# Altium PCB button_PVT.PcbDoc
Units mil, origin at the board's own origin, x right, y up, seen from the top; angles counter-clockwise.
Board outline 1126.97 x 1126.97 mil, 2 copper layers (Top Layer, Bottom Layer), stack 31.496 mil thick; 85 components, 49 nets, 248 pads, 272 vias.
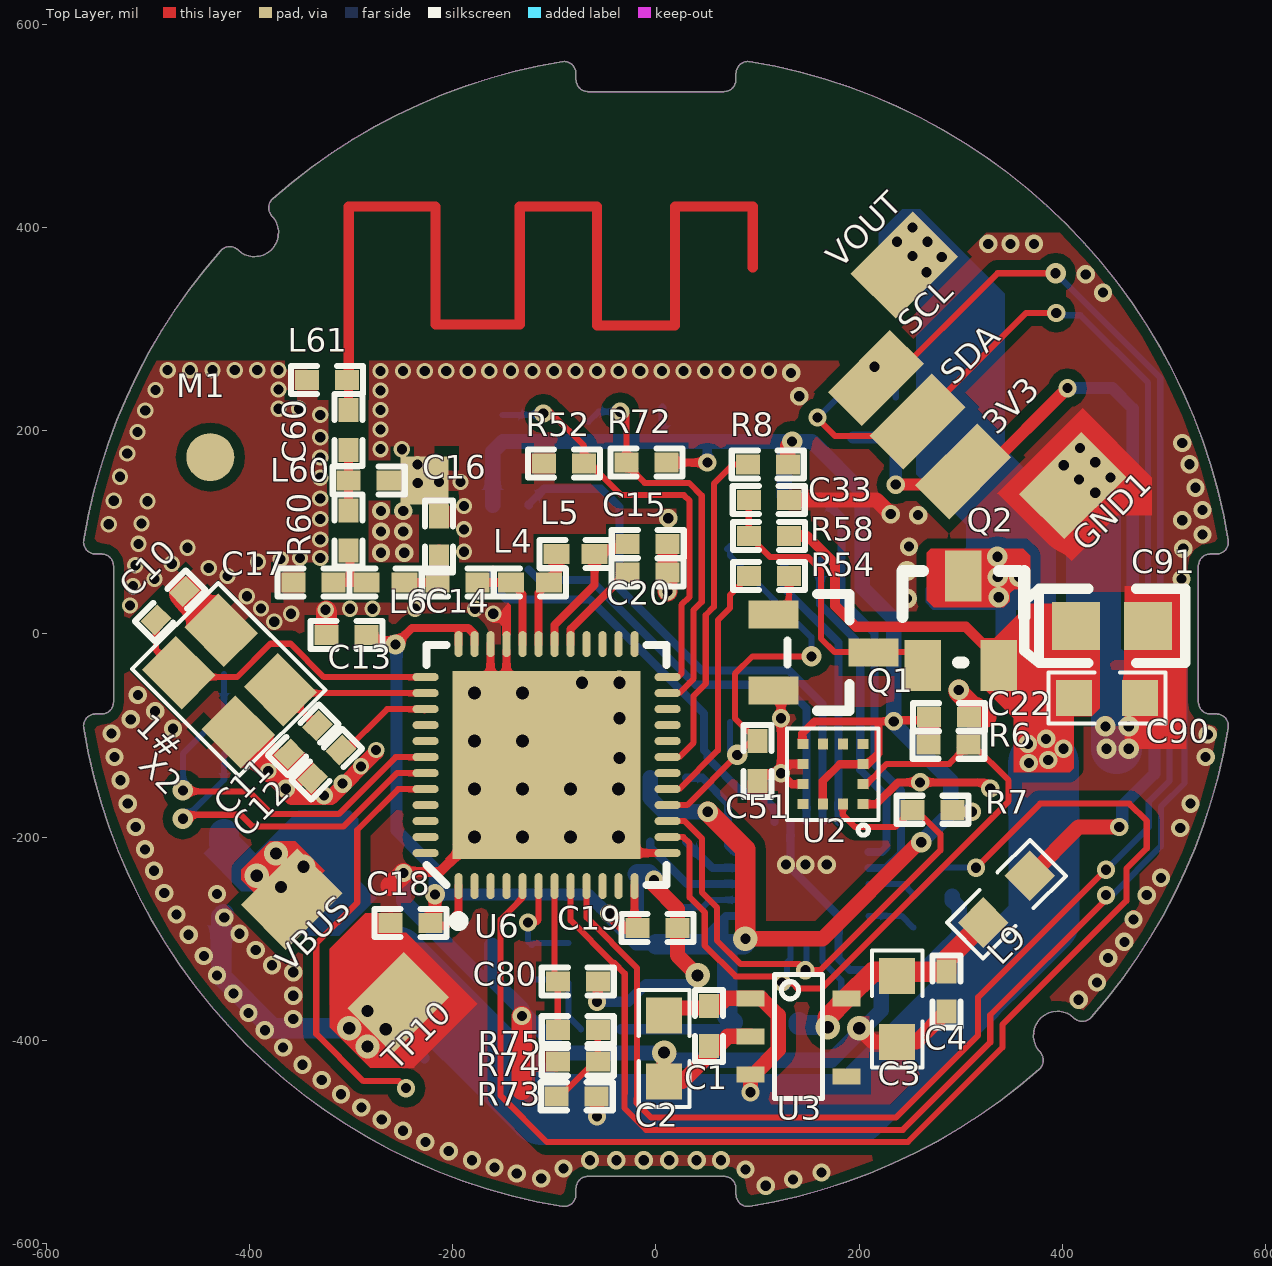
[diagram p0: Top Layer view]
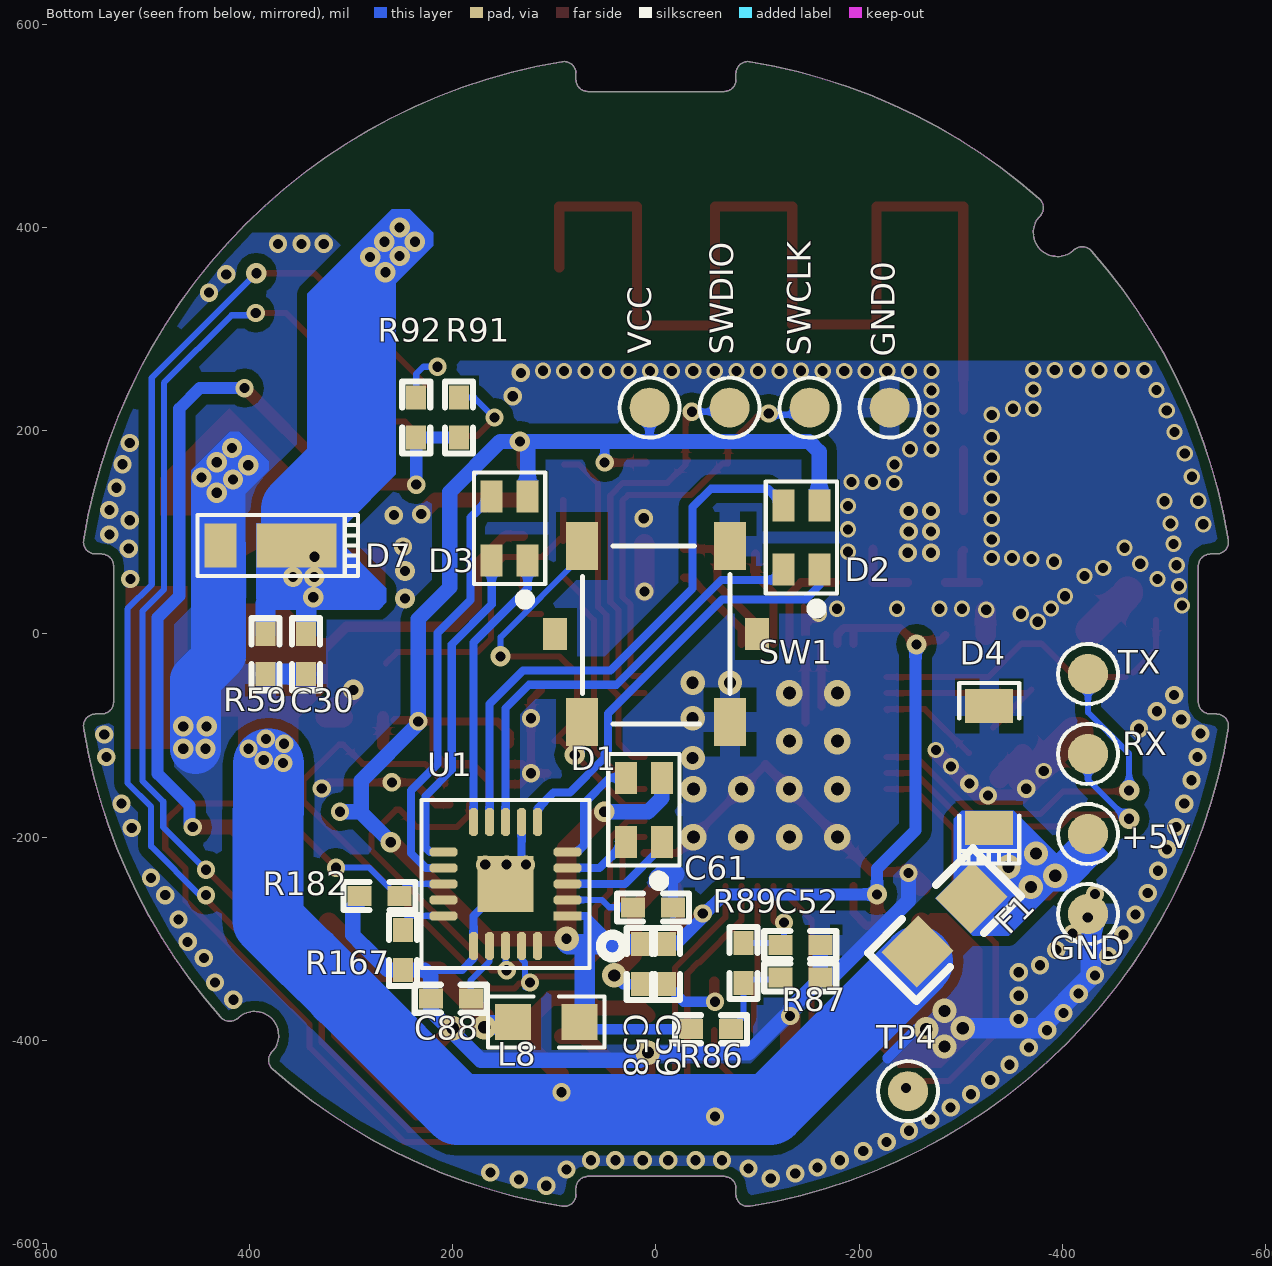
[diagram p1: Bottom Layer view, seen from below]
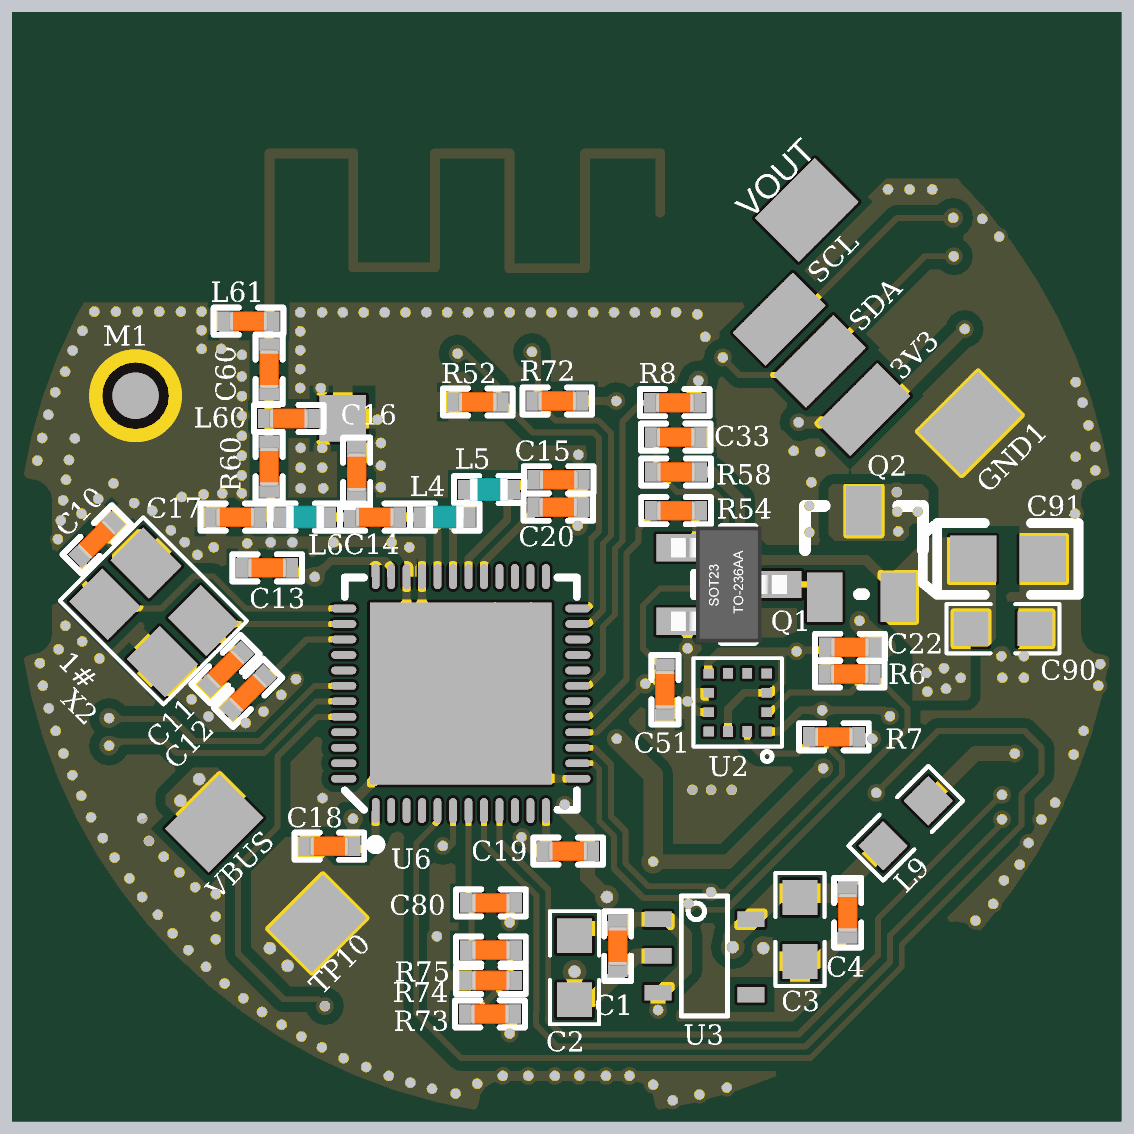
[diagram p2: 3D render of the assembled board from above, using the file's embedded part models]
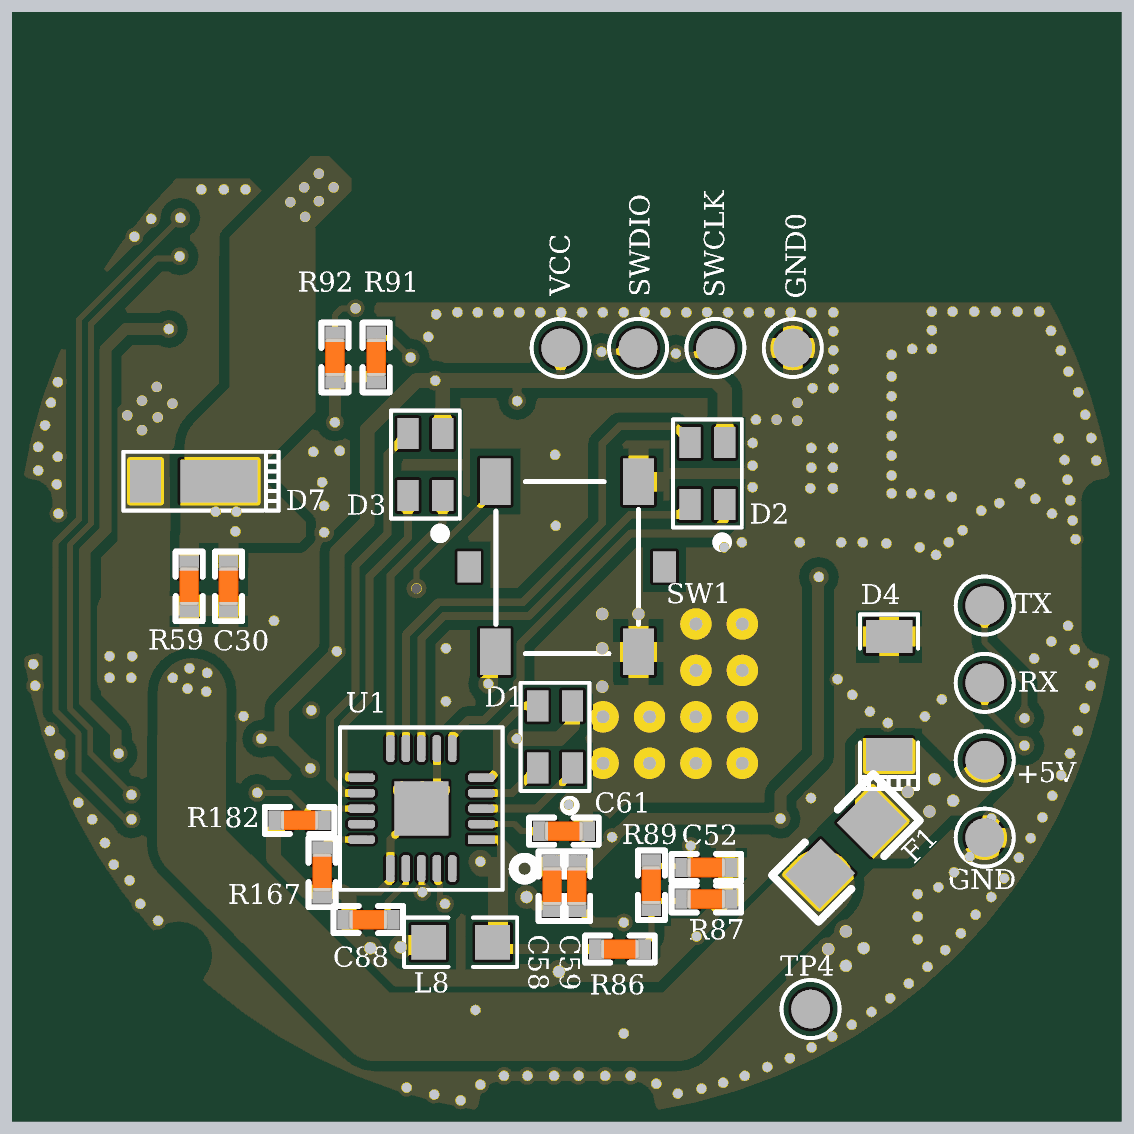
[diagram p3: 3D render of the assembled board from below, using the file's embedded part models]

## Layer stack, top to bottom
Top Solder: solder mask 3.937, Solder Resist, Dk 3.5
Top Layer: signal copper 5.9055
Dielectric1: core 19.685, FR-4, Dk 4.8
Bottom Layer: signal copper 5.9055
Bottom Solder: solder mask 3.937, Solder Resist, Dk 3.5

## Board outline
-563.33,-92.46 cw(c-551.67,-90.55) -551.67,-78.74 -545.72,-78.74 ccw(c-545.72,-66.93) -533.91,-66.93 -533.91,66.93 ccw(c-545.72,66.93) -545.72,78.74 -551.67,78.74 cw(c-551.67,90.55) -563.33,92.46 cw(c0,0) -428.43,377.27 cw(c-419.57,369.47) -411.4,378 ccw(c-395.07,395.07) -378,411.4 cw(c-369.47,419.57) -377.27,428.43 cw(c0,0) -92.46,563.33 cw(c-90.55,551.67) -78.74,551.67 -78.74,545.72 ccw(c-66.93,545.72) -66.93,533.91 66.93,533.91 ccw(c66.93,545.72) 78.74,545.72 78.74,551.67 cw(c90.55,551.67) 92.46,563.33 cw(c0,0) 563.33,92.46 cw(c551.67,90.55) 551.67,78.74 545.72,78.74 ccw(c545.72,66.93) 533.91,66.93 533.91,-66.93 ccw(c545.72,-66.93) 545.72,-78.74 551.67,-78.74 cw(c551.67,-90.55) 563.33,-92.46 cw(c0,0) 428.43,-377.27 cw(c419.57,-369.47) 411.4,-378 ccw(c395.07,-395.07) 378,-411.4 cw(c369.47,-419.57) 377.27,-428.43 cw(c0,0) 92.46,-563.33 cw(c90.55,-551.67) 78.74,-551.67 78.74,-545.72 ccw(c66.93,-545.72) 66.93,-533.91 -66.93,-533.91 ccw(c-66.93,-545.72) -78.74,-545.72 -78.74,-551.67 cw(c-90.55,-551.67) -92.46,-563.33 cw(c0,0)

## Design rules (kind name [scope] priority, off if disabled: settings)
Clearance Polygon_ANT [(InNamedPolygon('Top_Layer-GND')) or (InNamedPolygon('Bottom_Layer-GND')) vs InNet('NetC6_1')] p1: gap=6
Clearance Polygon [(InNamedPolygon('Top_Layer-GND')) or (InNamedPolygon('Bottom_Layer-GND'))] p2: gap=10
Clearance [All] p3: gap=6
ComponentClearance [All] p1 off: gap=10 collisioncheckmode=3 verticalgap=10 showdistances=FALSE
FabricationTestPointUsage TestPointUsage [All] p1: valid=0 allowmultiple=FALSE
FabricationTestpoint Testpoint [All] p1: side=3 testpointundercomponent=TRUE minsize=40 maxsize=100 preferedsize=60 minholesize=0 maxholesize=40 preferedholesize=32 testpointgrid=1 allowsidetop=TRUE allowsidebottom=TRUE usegrid=TRUE gridtolerance=0.01
Height [All] p1 off: minheight=0 maxheight=1000 prefheight=500
HoleSize [All] p1: absolutevalues=TRUE maxlimit=160 minlimit=10 maxpercent=80.000 minpercent=20.000
MinimumAnnularRing [All] p1 off: minimumring=6
PlaneConnect [All] p1: planeconnectstyle=Direct reliefexpansion=20 reliefentries=4 reliefconductorwidth=15 reliefairgap=10
PolygonConnect PolygonConnect_1 [isVia and innet(gnd)] p1: connectstyle=Direct reliefconductorwidth=10 reliefentries=4 polygonreliefangle="90 Angle" airgapwidth=10
PolygonConnect [All] p2: connectstyle=Relief reliefconductorwidth=20 reliefentries=4 polygonreliefangle="90 Angle" airgapwidth=10
RoutingVias [All] p1: holewidth=16 width=32 viastyle="Through Hole" minholewidth=10 minwidth=10 maxholewidth=28 maxwidth=50
SilkToSolderMaskClearance SilkscreenOverComponentPads [IsPad] p1: minsilkscreentomaskgap=10 clearancetoexposedcopper=TRUE
SolderMaskExpansion [All] p1: expansion=3
Width [All] p1: maxlimit=100 minlimit=6 preferedwidth=6
23 further rules are at their usual default settings.

## Classes and differential pairs
component class Sheet1: C58 C59 C61 C88 D1 D2 D3 R167 R182 U1
component class button_peripheral: +5V C1 C2 C3 C4 C22 C30 C33 C80 C90 C91 D4 D7 F1 GND1 GND_ L8 Q1 Q2 R54 R58 R59 R73 R74 R75 TP10 TP27 U2 U3 VBUS VOUT
component class button_mcu: 3V3 30 30mil C10 C11 C12 C13 C14 C15 C16 C17 C18 C19 C20 C51 C52 C60 GND GND0 L4 L5 L6 L9 L60 L61 M1 R6 R7 R8 R52 R60 R72 R86 R87 R89 R91 R92 RX SCL SDA SW1 SWCLK SWDIO TP3 TP4 TP20 TP21 TP22 TX U6 VCC X2

## Components (designator, comment, footprint, x,y, rotation, side; value= is the part's Value field where it differs from the comment)
3V3 "TP" TESTPOINT_PAD#1 302.33,160.09 r90 top
+5V "TP" TESTPOINT2 -425.2,-196.85 r90 bottom
C1 "0.1uF/10V" 0402C 52,-386 r270 top
C2 "10uF/10V" 0603C 8,-408 r270 top
C3 "10uF/10V" 0603C 237.44,-369 r270 top
C4 "0.1uF/10V" 0402C 286,-352 r270 top
C10 "12pF" CAPC1005X04L -478.12,27.86 r45 top
C11 "12pF" CAPC1005X04L -347.12,-104.14 r225 top
C12 "100nF" CAPC1005X04L -324.12,-128.14 r45 top
C13 "1.0nF" CAPC1005X04L -304.75,-1.04 r180 top
C14 "2.2pF" CAPC1005X04L -195.12,50.58 r180 top
C15 "2.2nF" CAPC1005X04L -8.12,88.58 r0 top
C16 "1.0pF" CAPC1005X04L -213.67,96.09 r90 top
C17 "1.5pF" CAPC1005X04L -337.12,50.58 r180 top
C18 "100nF" CAPC1005X04L -241.44,-284.29 r180 top
C19 "100nF" CAPC1005X04L 1.56,-289.29 r0 top
C20 "47nF" CAPC1005X04L -8.44,60.71 r0 top
C22 "1uF/10V" 0402C 288.33,-81.91 r0 top
C30 "10nF/16V" 0402C 344.33,-19.91 r270 bottom
C33 "1pF/16V" 0402C 111,132 r0 top
C51 "0.1uF/10V" 0402C 100,-125 r90 top
C52 "0.1uF/10V" 0402C -142,-306 r0 bottom
C58 "1uF" 0402C 15,-325 r270 bottom
C59 "0.1uF" 0402C -10,-325 r270 bottom
C60 "2.2pF" 0402C -302.75,200.96 r90 top
C61 "0.1uF" 0402C 3,-269 r180 bottom
C80 "0.1uF/10V" 0402C -77,-342 r0 top
C88 "0.22uF" 0402C 202,-359 r180 bottom
C90 "1uF/16V" 0603C 444,-63 r0 top
C91 "10uF/10V" LC-CASE-P_2012 449,8 r180 top
D1 "RGB3528" R6GHBHC 12,-173 r90 bottom
D2 "RGB3528" R6GHBHC -143,95 r90 bottom
D3 "RGB3528" R6GHBHC 144,104 r90 bottom
D4 "RSA5M" SOD-123 -328,-131 r270 bottom
D7 "SS14/IN5819" PROGRAM_1/2 391.33,87.09 r270 bottom
F1 "2A" 0805 -284,-286 r135 bottom
GND "TP" TESTPOINT2 -425.2,-275.59 r90 bottom
GND0 "TP" TESTPOINT2 -229.92,222.71 r90 bottom
GND1 "TP" TESTPOINT_PAD#2 410.33,146.09 r90 top
L4 "4.7nH" INDC1005X04L -124.12,50.58 r180 top
L5 "10nH" INDC1005X04L -79.12,78.58 r180 top
L6 "3.3nH" INDC1005X04L -266.12,50.58 r180 top
L8 "600R-1.5A" L_0603 108,-382 r0 bottom
L9 "600R-1.5A" L_0603 345,-261 r225 top
L60 "NC" 0402R -282.75,150.96 r180 top
L61 "NC" 0402R -323.75,249.96 r0 top
M1 "MARK" "Mark Point" -438.67,174.09 r0 top
Q1 "SST4401T116" LC-SOT-23(SOT-23-3) 165,-18 r180 top
Q2 "RRR030P03" TSMT3 300,13 r0 top
R6 "1K 5%" 0402R 288,-109 r0 top
R7 "1K 5%" 0402R 272,-173 r180 top
R8 "1K 5%" 0402R 110,167 r180 top
R52 "12K/5%" 0402R -90.44,167.71 r180 top
R54 "1K" 0402R 111.33,57.09 r180 top
R58 "1K" 0402R 111.33,96.46 r0 top
R59 "1K" 0402R 384.33,-19.91 r90 bottom
R60 "0" 0402R -302.75,101.96 r90 top
R72 "1K/5%" 0402R -9.44,168.71 r0 top
R73 "300K" 0402R -78,-455 r0 top
R74 "150K 1%" 0402R -77,-421 r0 top
R75 "200K 1%" 0402R -77,-390 r0 top
R86 "150K 1%" 0402R -54,-389 r0 bottom
R87 "150K 1%" 0402R -142,-338 r0 bottom
R89 "200K 1%" 0402R -86,-324 r270 bottom
R91 "1K 5%" 0402R 194,213 r90 bottom
R92 "1K 5%" 0402R 236,213 r90 bottom
R167 "100K" 0402R 249,-311 r90 bottom
R182 "100K" 0402R 272,-258 r180 bottom
RX "TP" TESTPOINT2 -425.2,-118.11 r90 bottom
SCL "TP" TESTPOINT_PAD#1 216.33,252.09 r90 top
SDA "TP" TESTPOINT_PAD#1 257.33,209.09 r90 top
SW1 "Switch_1" KEY_Panasonic 0,0 r0 bottom
SWCLK "TP" TESTPOINT2 -151.18,222.71 r90 bottom
SWDIO "TP" TESTPOINT2 -72.44,222.71 r180 bottom
TP4 "TP" TESTPOINT2 -248,-450 r90 bottom
TP10 "TP" TESTPOINT_PAD#3 -253.67,-362.91 r90 top
TX "TP" TESTPOINT2 -425.2,-39.37 r90 bottom
U1 "SN3199" QFN20-B 148,-246 r90 bottom
U2 "DS_DA226" LGA-12 174,-138 r180 top
U3 "TLV733P" SOT-23-5 93,-396 r0 top
U6 "nRF51822QFAA" QFN40P600X600X90-48N -107.73,-129.02 r90 top
VBUS "TP" TESTPOINT_PAD#3 -358.67,-260.91 r90 top
VCC "TP" TESTPOINT2 6.3,222.71 r90 bottom
VOUT "TP" TESTPOINT_PAD#2 244.33,363.09 r90 top
X2 "16MHz" XTAL/3225 -469.75,-38.04 r315 top

## Footprints (in the part's own frame and the unit in brackets; to place one, negate y for a bottom-side part, rotate by r counter-clockwise, add the part's x,y. Pads: shape width x height; smd on the part's side, far side on the other; paste and mask are expansions set on the pad)
0402C [mm]
  rect 0.6x0.5 smd: 1(-0.5,0) 2(0.5,0)
  silkscreen extent -0.9,-0.35 0.9,0.35, body extent -0.51,-0.25 0.51,0.25, height 0.5
0402R [mm]
  rect 0.6x0.5 smd: 1(-0.5,0) 2(0.5,0)
  silkscreen extent -0.9,-0.35 0.9,0.35, body extent -0.51,-0.25 0.51,0.25, height 0.5
0603C [mm]
  rect 0.9x0.9 smd: 1(-0.826,0) 2(0.826,0)
  silkscreen extent -1.46,-0.64 1.46,0.64, body extent -1.38,-0.55 1.38,0.55, height 0.9
0805 [mm]
  rect 1.3x1.25 smd: 1(-0.95,0) 2(0.95,0)
  silkscreen extent -1.85,-0.85 1.85,0.85, body extent -1.7,-0.73 1.7,0.73, height 0.6
CAPC1005X04L [mm] "Chip Capacitor, 2-Leads, Body 1.0x0.5mm, IPC High Density"
  rect 0.6x0.5 smd: 1(-0.5,0) 2(0.5,0)
  silkscreen extent -0.9,-0.35 0.9,0.35, body extent -0.51,-0.25 0.51,0.25, height 0.5
INDC1005X04L [mm] "Chip Inductor, 2-Leads, Body 1.0x0.5mm, IPC High Density"
  rect 0.65x0.5 smd: 1(-0.475,0) 2(0.475,0)
  silkscreen extent -0.9,-0.35 0.9,0.35, body extent -0.5,-0.3 0.5,0.3, height 0.5
KEY_Panasonic [mm]
  rect 0.8x1.2 smd: 1(1.85,-2.2) 2(1.85,2.2) 3(-1.85,2.2) 4(-1.85,-2.2)
  rect 0.6x0.8 smd: ""(-2.525,0) ""(2.525,0)
  silkscreen extent -1.85,-2.2 1.83,2.25, body extent -2.9,-2.88 2.9,2.88, height 1.7
L_0603 [mm]
  rect 0.9x0.9 smd: 1(-0.826,0) 2(0.826,0)
  silkscreen extent -1.46,-0.64 1.46,0.64, body extent -1.38,-0.55 1.38,0.55, height 0.9
LC-CASE-P_2012 [mm]
  rect 1.2x1.2 smd: 1(0.9,0) 2(-0.9,0)
  silkscreen extent -1.83,-0.93 2.2,0.93, body extent -1.58,-0.68 1.58,0.68, height 1
LC-SOT-23(SOT-23-3) [mm]
  rect 1.25x0.7 smd: 1(1.25,0.95) 2(1.25,-0.95) 3(-1.25,0)
  silkscreen extent -0.65,-1.46 0.9,1.46, body extent -1.5,-1.5 1.5,1.5, height 1.3
LGA-12 [mm]
  rect 0.275x0.25 smd: 1(-0.75,0.75) 2(-0.75,0.25) 3(-0.75,-0.25) 4(-0.75,-0.75) 7(0.75,-0.75) 8(0.75,-0.25) 9(0.75,0.25) 10(0.75,0.75)
  rect 0.25x0.275 smd: 5(-0.25,-0.75) 6(0.25,-0.75) 11(0.25,0.75) 12(-0.25,0.75)
  silkscreen extent -1.14,-1.14 1.14,1.52, body extent -0.99,-0.99 0.99,0.99, height 1.2
"Mark Point" [mm]
  round 1.2 smd: 4(0,0)
  round 2.4 on Top Solder: 5(0,0)
PROGRAM_1/2 [mm]
  rect 1.1x2 smd: 1(0,0.95)
  rect 1.1x0.8 smd: 2(0,-0.95)
  silkscreen extent -0.76,-1.52 0.76,2.49, body extent -0.63,-1.43 0.63,2.03, height 0.5
QFN20-B [mm]
  rect 0.22x0.7 smd: 1(-0.8,-1.55)
  oct 0.22x0.7 smd: 2(-0.4,-1.55) 3(0,-1.55) 4(0.4,-1.55) 5(0.8,-1.55) 11(0.8,1.55) 12(0.4,1.55) 13(0,1.55) 14(-0.4,1.55) 15(-0.8,1.55)
  oct 0.7x0.22 smd: 6(1.55,-0.8) 7(1.55,-0.4) 8(1.55,0) 9(1.55,0.4) 10(1.55,0.8) 16(-1.55,0.8) 17(-1.55,0.4) 18(-1.55,0) 19(-1.55,-0.4) 20(-1.55,-0.8)
  rect 1.4x1.4 smd: 21(0,0)
  silkscreen extent -2.1,-2.95 2.1,2.1, body extent -1.98,-1.98 1.98,1.98, height 0.8
QFN40P600X600X90-48N [mm] "QFN, 48-Leads, Body 6,0x6,0mm (max), Pitch 0,40mm, IPC Medium Density"
  oval 0.65x0.2 smd: 1(-3.025,2.2) 2(-3.025,1.8) 3(-3.025,1.4) 4(-3.025,1) 5(-3.025,0.6) 6(-3.025,0.2) 7(-3.025,-0.2) 8(-3.025,-0.6) 9(-3.025,-1) 10(-3.025,-1.4) 11(-3.025,-1.8) 12(-3.025,-2.2) 25(3.025,-2.2) 26(3.025,-1.8) 27(3.025,-1.4) 28(3.025,-1) 29(3.025,-0.6) 30(3.025,-0.2) 31(3.025,0.2) 32(3.025,0.6) 33(3.025,1) 34(3.025,1.4) 35(3.025,1.8) 36(3.025,2.2)
  oval 0.2x0.65 smd: 13(-2.2,-3.025) 14(-1.8,-3.025) 15(-1.4,-3.025) 16(-1,-3.025) 17(-0.6,-3.025) 18(-0.2,-3.025) 19(0.2,-3.025) 20(0.6,-3.025) 21(1,-3.025) 22(1.4,-3.025) 23(1.8,-3.025) 24(2.2,-3.025) 37(2.2,3.025) 38(1.8,3.025) 39(1.4,3.025) 40(1,3.025) 41(0.6,3.025) 42(0.2,3.025) 43(-0.2,3.025) 44(-0.6,3.025) 45(-1,3.025) 46(-1.4,3.025) 47(-1.8,3.025) 48(-2.2,3.025)
  rect 4.7x4.7 smd: 49(0,0)
  silkscreen extent -4.02,-3 3,3, body extent -3,-3 3,3, height 0.9
R6GHBHC [mm]
  rect 0.8x0.55 smd: 1(-0.8,-0.45) 2(-0.8,0.45) 3(0.8,0.45) 4(0.8,-0.45)
  silkscreen extent -1.9,-0.89 1.4,0.89, body extent -1.28,-0.8 1.28,0.8, height 0.4
SOD-123 [mm]
  rect 0.85x1.2 smd: 1(1.525,0) 2(-1.525,0)
  silkscreen extent -2.1,-0.75 2.41,0.75
SOT-23-5 [mm]
  rect 0.7x0.4 smd: 1(0,0.95) 2(0,0) 3(0,-0.95) 4(2.4,-1) 5(2.4,0.95)
  silkscreen extent 0.6,-1.55 1.8,1.55, body extent -0.45,-1.3 2.85,1.25, height 1.45
TESTPOINT2 [mm]
  round 1 smd: 1(0,0)
  silkscreen extent -0.75,-0.75 0.75,0.75, body extent -0.6,-0.6 0.6,0.6, height 0.1
TESTPOINT_PAD#1 [mm]
  rect 2.2x1.2 smd rot 135: 1(0,0)
  body extent -1.31,-1.31 1.31,1.31, height 0.1
TESTPOINT_PAD#2 [mm]
  rect 2.2x1.6 smd rot 135: 1(0,0)
  body extent -1.45,-1.45 1.45,1.45, height 0.1
TESTPOINT_PAD#3 [mm]
  rect 2x1.6 smd rot 135: 1(0,0)
  body extent -1.52,-1.52 1.52,1.52, height 0.1
TSMT3 [mil]
  rect 36x50 smd: 1(-37.5,-44) 2(37.5,-44) 3(2.5,44)
  silkscreen extent -58,-41 62,49, body extent -60,-73 60,73, height 39
XTAL/3225 [mm]
  rect 1.4x1.2 smd: 1(0,0) 2(2.1,0) 3(2.1,1.5) 4(0,1.5)
  silkscreen extent -0.89,-0.76 2.9,2.29, body extent -0.8,-0.7 2.9,2.2, height 0.8

## Part data
C1 C4 C22 C30 C33 C80: library part CAP, "厂家：Murata，型号：GRM155R71A104KA01D"
C2 C3 C90 C91: library part CAP, "厂家：Murata，型号：GRM188R61A106KE69D"
C10 C11: library part C0402-12p, "Capacitor, NP0, ±2%"
C12 C18 C19: library part C0402-100n, "Capacitor, X7R, ±10%"
C13: library part C0402-1n0, "Capacitor, X7R, ±10%"
C14 C60: library part C0402-3.9p, "Capacitor, NP0, ±0.1pF"
C15: library part C0402-2n2, "Capacitor, X7R, ±10%"
C16: library part C0402-1.0p, "Capacitor, NP0, ±0.1pF"
C17: library part C0402-1.5p, "Capacitor, NP0, ±0.1pF"
C20: library part C0402-47n, "Capacitor, X7R, ±10%"
C51 C52: library part CAP, "Capacitor"
C58: library part CAP, "1uF/10V/X7R/10%，0402"
C59 C61: library part CAP, "0.1uF/10V/X7R/10%，0402"
C88: library part CAP, "0.22uF/10V/X7R/10%，0402"
D4: library part ESD_1, "厂家：ROHM，型号：VMNZC6.8CST2RA"
D7: library part "Diode 1N4148", "High Conductance Fast Diode"
F1: library part FUSE2, "厂家：万瑞和，型号：smd1206-200"
L4 L60 L61: library part L0402-4n7, "High frequency chip inductor ±5%"
L5 L8 L9: library part L0402-27n, "High frequency chip inductor ±5%"
L6: library part L0402-3n3, "High frequency chip inductor ±5%"
M1: library part PAD1, "None"
Q1: library part 2N3904, "NPN General Purpose Amplifier"
Q2: library part MOSFET-P, "P-Channel MOSFET"
R6 R7 R8 R52 R54 R58 R59 R60 R72 R73 R74 R75 R86 R87 R89 R91 R92: library part RES1, "厂家：Yageo，型号：RC0402FR-0720RL"
R167 R182: library part RES, "100K/5%，0402"
SW1: "厂家：松下，型号：EVQPLMA15"
U1: "厂家：SI-EN，型号：IS31FL3199-QFLS2-TR"
U2: library part LI, "厂家：ST，型号：LIS2DH12"
U3: library part AP3410
U6: library part nRF51x22-QFAC, "Multi-protocol Bluetooth Low Energy, ANT and 2.4GHz proprietary system-on-chip"
X2: library part NX2520SA-16MHZ-STD-CSW-5, "XTAL SMD 2520, 16MHz, 8pF, ±40ppm"

## Free pads (board coordinates)
  rect 47.24x47.24 smd: 2(-228,151)

## Via types
v1: diameter 18, hole 10, Top Layer to Bottom Layer, tented both sides, 128 vias
v2: diameter 16, hole 10, Top Layer to Bottom Layer, tented both sides, 82 vias
v3: diameter 20, hole 10, Top Layer to Bottom Layer, tented both sides, 33 vias
v4: diameter 24, hole 12, Top Layer to Bottom Layer, tented both sides, 16 vias
v5: diameter 25.98, hole 12.99, Top Layer to Bottom Layer, 12 vias
v6: diameter 24, hole 10, Top Layer to Bottom Layer, tented both sides, 1 vias

## Nets (pads, with @x,y where several pads share a name; then routed paths per layer and width w, separated by ;. In a path a pad name is that pad's centre, name@x,y a point inside that pad or via, vN(x,y) a via of type N, cw(c..) or ccw(c..) an arc to the next point about the centre after c; other vN are vias at no path point)
+3V3: C3.1 C4.1 L8.2 L9.2 U3.5 | length 240.9
  Top Layer w20: v4(169,-387) 169,-377.09 U3.5 213.77,-332.31 C4.1 286,-320 L9.2
  Bottom Layer w20: L8.2 140.5,-384.84 166.84,-384.84 v4(169,-387)
ADC: C80.1 R75.1 U6.7 | length 143.2
  Top Layer w6: U6.7 -99.86,-338.83 C80.1 R75.1
ADC_3V3: C52.2 R89.1 U6.6 | length 105.4
  Top Layer w6: v1(-126,-284) -118,-284 -115.61,-281.61 U6.6
  Bottom Layer w6: v1(-126,-284) -126,-302.31 C52.2 -120.63,-304.31 R89.1
ANT: C60.2 L61.2 | length 1123
  Top Layer w9: C60.2 L61.2@-302.75,249.64
  Top Layer w10: L61.2@-302.43,249.96 -302.43,420.66 -217.12,420.66 -217.12,304.77 -134.12,304.77 -134.12,420.66 -58.12,420.66 -58.12,303.77 18.57,303.77 18.57,420.66 95.19,420.66 95.19,360.58
BLUE_1: D1.3 U1.5 | length 111.7
  Bottom Layer w8: D1.3 45.79,-141.5 71,-166.72 71,-208 77.5,-214.5 U1.5
BLUE_2: D2.3 U1.9 | length 547.5
  Bottom Layer w8: D2.3 -125.28,127.72 -110,143 -54,143 -36,125 -36,44.6 44.6,-36 130.75,-36 163.75,-69 U1.9
BLUE_3: D3.3 U1.12 | length 422.1
  Bottom Layer w8: D3.3 182.54,114.67 182.54,33.46 215,1 215,-127.87 241,-153.87 241,-215.8 226.55,-230.25 U1.12
BUTTON: C51.2 SW1.1 SW1.2 U6.16 | length 456
  Top Layer w6: U6.16 30.61,-168.39 v3(80,-119) 93.69,-105.31 C51.2 77.68,-83 77.68,-39.31 95,-22 v3(153,-22)
  Bottom Layer w6: SW1.1@70,83.78 SW1.1 72.83,77.17 153,-3 v3(153,-22) ; SW1.2 72.83,-115.83 76,-119 v3(80,-119)
DEBUG_RX: RX.1 U6.43 | length 340
  Top Layer w6: v3@-457.67,-177.91 -408.67,-177.91 -397.29,-189.29 -307.43,-189.29 -255.03,-136.9 U6.43
  Bottom Layer w6: v3(-465.67,-181.91) -464.58,-183 -425.2,-143.61 RX.1
DEBUG_TX: TX.1 U6.42 | length 400.7
  Top Layer w6: v3@-463.67,-154.91 -400.67,-154.91 -378.29,-177.29 -342.3,-177.29 -342.24,-177.23 -324.84,-177.23 -324.78,-177.29 -324.72,-177.23 -312.34,-177.23 -256.26,-121.15 U6.42
  Bottom Layer w6: v3(-465.67,-153.91) -465.67,-117.67 -425.2,-77.2 TX.1
G_SCL: R7.2 U1.18 U2.12 U6.15 | length 597.3
  Top Layer w6: U6.15 28.11,-184.14 45.16,-201.19 45.16,-254.19 60,-269.03 60,-301.7 83.3,-325 141,-325 v1(147,-331) 161.87,-331 280,-212.87 280,-197.13 255.87,-173 R7.2 235.32,-190 196,-190 183.84,-177.84 U2.12
  Bottom Layer w6: v1(147,-331) 148,-330 U1.18
G_SDA: R6.2 U1.19 U2.2 U6.14 | length 766.2
  Top Layer w6: U6.14 26.89,-199.89 33.16,-206.16 33.16,-259.16 48,-274 48,-306.67 78.33,-337 118,-337 v1(124,-343) 124,-345 125,-344 134.54,-344 139.54,-349 162.46,-349 347,-164.46 347,-144 312,-109 R6.2 288.84,-127.84 227.16,-127.84 U2.2@207.25,-147.75
  Bottom Layer w6: v1(124,-343) 124,-344 128,-348 129,-347 129,-323.2 132.25,-319.95 U1.19
GND: C1.2 C2.2 C3.2 C4.2 C10.2 C11.2 C12.1 C13.2 C15.2 C16.2 C17.2 C18.2 C19.2 C20.2 C22.2 C30.2 C33.2 C51.1 C52.1 C58.2 C59.2 C61.2 C80.2 C88.1 C90.2 C91.2 D4.2 D7.2 GND0.1 GND1.1 GND.1 L60.1 L61.1 pad.2 Q1.1 R52.2 R59.1 R74.1 R87.1 R167.1 R182.1 SW1.3 SW1.4 TP10.1 U1.7 U1.16 U1.21 U2.1 U2.8 U2.9 U3.2 U6.13 U6.33 U6.34 U6.49 X2.2 X2.4 | length 3502.4
  Top Layer w8: U6.49@-162.86,-71.43 U6.34 ; U6.49@-147.12,-87.18 U6.33@-147.12,-16.86 ; U6.49 v5(-36.87,-199.89) -21.12,-215.64 U6.13 ; C51.1@106.68,-137 v1(123,-137) ; Q1.1@113.11,-55.31 123,-65.2 v1(123,-137) ; U2.9 133.84,-147.84 v1(123,-137) ; U2.8 131.84,-128.16 v1(123,-137) ; U2.1 216.71,-167.53 238.23,-146 v1(260,-146) 323,-146 v1(329,-152) v1@330,-153
  Top Layer w10: v1(-248.44,-235.29) -247.44,-234.29 -212.99,-234.29 U6.49 ; v1(-58,-362) -57.31,-361.31 C80.2 ; v1(470,-281) v1@470,-276.84
  Top Layer w15: -365.73,-142.06 -365.73,-153.5 -358.44,-160.79 -349.13,-160.79 -349.07,-160.73 -319.88,-160.73 -275.44,-116.29 v2(-275.44,-114.29) ; v1(-2,-242) -2,-247.33 21.24,-270.58 C19.2 21.24,-316.24 v4(41,-336) ; v4(8,-412) C2.2 26.19,-440.5 70.69,-396 U3.2 ; C33.2 217,132 v1(231,118) ; v4@204.06,-388 204.06,-392.06 213.5,-401.5 C3.2 256.19,-401.5 C4.2
  Top Layer w20: C11.2 -361.04,-119.06 C12.1 ; C13.2 v2@-324.43,23.17 ; -285.67,-317.91 -261.13,-293.36 C18.2 ; -261,-247.85 v1(-248.44,-235.29) ; -132,-448.55 v1(-132,-376) ; v1(11.24,41.76) C20.2 11.24,88.26 C15.2 ; v3(298,-55) 298,-57.13 312.87,-72 315.42,-72 325.33,-81.91 C22.2
  Top Layer w30: C10.2 -464.2,39.93 X2.4 ; X2.2@-415.84,-96.51 X2.2 -365.73,-142.06 -361.04,-142.06 ; C90.2@476,-53.91 C91.2@476,-12.15
  Bottom Layer w8: U1.7 132.25,-230.25 U1.21 179.5,-277.5 U1.16 179.5,-319.5 190.68,-330.68 227.81,-330.68 ; v1(329,-152) v1@330,-153
  Bottom Layer w10: v4(-266,-389) -256.05,-389 -228,-417.05 -228,-417.76 ; v1(-58,-362) -27.32,-362 C59.2 C58.2 32.31,-344.69 v4(41,-336) ; -18,-236.24 -16.69,-237.56 C61.2 C61.2@-16.69,-274.79
  Bottom Layer w15: v1(-248.44,-235.29) -248.44,-262.56 -173,-338 R87.1 ; C52.1 R87.1 ; R182.1 291.68,-262.45 298.5,-269.27 298.5,-296.2 288.2,-306.5 287.91,-306.5 263.73,-330.68 R167.1 227.81,-330.68 221.68,-336.81 C88.1 221.68,-370.38 172.56,-419.5 15.5,-419.5 v4(8,-412) 7.66,-412.34 -91.09,-412.34 -127.43,-376 v1(-132,-376) -132,-369.06 -161.68,-339.38 R87.1
  Bottom Layer w20: GND.1 -428,-278.39 -428,-337 -377,-388 v4(-302,-388) ; -18,-236.24 -7.54,-236.24 v1@-2.39,-241.39 ; C30.2 R59.1
  Bottom Layer w50: D7.2 428.73,-20.47 453.33,-45.07 453.33,-112.91
  other v1: 108,-543 135,-537 -113,-536 -137,-531 163,-530 88,-527 -91,-526 -159,-525 -181,-518 -65,-518 -39,-518 -12,-518 13,-518 40,-518 64,-518 -204,-509 -227,-500 -249,-489 -270,-478 -290,-466 -310,-453 -329,-439 -348,-424 -367,-407 -385,-390 -357,-379 -401,-373 416,-360 -357,-356 -416,-354 434,-343 -432,-336 -357,-333 -378,-326 445,-319 -445,-317 -394,-311 461,-303 -460,-296 -410,-295 -425,-279 -472,-276 483,-257 -432,-256 -484,-255 497,-240 -494,-233 128,-227 147,-227 168,-227 -503,-212 516,-191 -512,-190 -520,-167 526,-167 -326.67,-158.91 -364.44,-152.29 -308.44,-147.29 -527,-144 -533,-121 541,-121 543,-99 -536,-98 -475.44,-93.29 -517,-84 123,-83 -493,-76 -510,-60 517.33,54.09 -270.75,79.96 -247.75,79.96 519,84 249,86 538,98 -270.75,100.96 -248.75,100.96 518,112 12,114 258,117 -270.75,120.96 -248.75,120.96 538,122 531,144 525,167 518,188 141,234 133,257 440,336 423,354 327,384 349,384 372,384
  other v2: -381.67,-134.91 -290.44,-130.29 -375.67,12.09 -359.12,19.86 -160.12,19.86 -325.12,23.86 -388.67,25.09 -301.12,24.86 -279.12,24.86 -237.12,24.86 -178.12,24.86 -517.67,28.09 -402.67,37.09 -514.67,47.09 -493.67,54.09 -421.67,57.09 -440.12,64.86 -512.44,67.71 -476.67,69.09 -391.67,71.09 -369.44,73.71 -350.44,74.71 -330.44,74.71 -189,81 -461.12,84.86 -509.44,88.71 -330.44,92.96 -189,103 -538.67,108.09 -506.44,108.71 -330.44,113.11 -189,126 -533.67,131.09 -500.44,130.71 -330.44,133.26 -234.44,148.71 -213.44,149.71 -192.44,149.71 -330.44,153.71 -527.44,154.71 -234.75,166.96 -330.44,173.71 -520.44,177.71 -271.12,181.96 -250.12,181.86 -330.44,193.71 -510.44,198.71 -271.12,201.18 -330.44,215.71 -502.67,220.09 -271.12,220.41 -371.44,221.71 -351.44,221.71 -492.67,240.09 -271.12,239.63 -371.44,240.71 -271.12,258.86 -248.9,258.86 -227.68,258.86 -206.46,258.86 -185.24,258.86 -164.01,258.86 -142.67,259.09 -121.57,258.86 -100.35,258.86 -79.12,258.86 -57.9,258.86 -36.68,258.86 -15.46,258.86 5.76,258.86 26.99,258.86 48.21,258.86 69.43,258.86 90.65,258.86 111.33,259.09 -480.67,259.71 -458.63,259.71 -436.58,259.71 -414.53,259.71 -392.49,259.71 -371.44,259.71
  other v3: 443.33,-112.91 465.33,-112.91 442.33,-90.91 465.33,-90.91 247,35 247,62 432.33,139.09 416.33,152.09 447.33,154.09 401.33,166.09 432.33,169.09 417.33,183.09
  other v4: -284,-406 200,-388 -284,-371 -36,-122 -36,-83 -72.83,-48 -36,-48
  other v5: -178.6,-199.89 -131.35,-199.89 -84.11,-199.89 -178.6,-152.65 -131.35,-152.65 -84.11,-152.65 -36.87,-152.65 -178.6,-105.4 -131.35,-105.4 -178.6,-58.16 -131.35,-58.16
GREEN_1: D1.2 U1.4 | length 67.9
  Bottom Layer w8: D1.2 55.47,-230.25 U1.4
GREEN_2: D2.2 U1.8 | length 441.8
  Bottom Layer w8: D2.2 -114.77,52.99 -64.19,52.99 38.8,-50 124.95,-50 148,-73.05 U1.8
GREEN_3: D3.2 U1.11 | length 329.4
  Bottom Layer w8: D3.2 161.72,29.08 201,-10.2 201,-133.67 227,-159.67 227,-210 222.5,-214.5 U1.11
LED_SDB: R182.2 U1.13 U6.5 | length 1370.9
  Top Layer w6: U6.5 -131.35,-259.58 -153,-281.22 -153,-454.42 -107.42,-500 248,-500 341,-407 341,-384.54 463,-262.54 463,-231 483,-211 483,-184 466,-167 378,-167 v1(315,-230)
  Bottom Layer w6: U1.13 243.32,-246 R182.2@252.31,-255 ; R182.2 254.3,-258 282.3,-230 v1(315,-230)
NetC10_1: C10.1 U6.37 X2.1 | length 323.8
  Top Layer w6: C10.1 -492.04,-15.75 X2.1 ; X2.1@-462.2,-42.43 -412.41,-42.43 -379.54,-9.56 -359.71,-9.56 -326.83,-42.43 U6.37@-226.84,-42.43
NetC11_1: C11.1 U6.38 X2.3 | length 190.6
  Top Layer w6: X2.3 X2.3@-366.09,-58.18 ; C11.1 -334.05,-90.22 X2.3@-366.09,-58.18 ; C11.1@-332.15,-92.12 C11.1@-331.83,-92.12 ; U6.38@-226.84,-58.18 X2.3@-366.09,-58.18
NetC12_2: C12.2 U6.39 | length 100.5
  Top Layer w6: C12.2@-307.83,-117.12 -264.63,-73.93 -226.84,-73.93 U6.39@-227.96,-75.04
NetC14_1: C14.1 L4.2 U6.32 | length 98.9
  Top Layer w8: L4.2 -131.37,39.12 U6.32
  Top Layer w9: C14.1@-176.42,50.58 C14.1 L4.2
NetC14_2: C14.2 C16.1 L6.1 | length 66.6
  Top Layer w9: L6.1 C14.2 -213.67,50.58 C16.1 C16.1@-213.67,83.44
NetC15_1: C15.1 L5.1 U6.30 | length 139.6
  Top Layer w8: U6.30 -99.87,8.76 -60.42,48.21 L5.1 -55.42,83.58 C15.1@-27.81,83.58
NetC17_1: C17.1 L6.2 R60.1 | length 65
  Top Layer w9: C17.1 -301.13,50.58 ; R60.1 -301.13,80.66 -301.13,50.58 ; L6.2 -301.13,50.58
NetC20_1: C20.1 U6.29 | length 180
  Top Layer w6: U6.29@-84.5,-10.31 -84.5,5.75 -34.67,55.58 C20.1@-33.26,55.58
  Top Layer w8: U6.29 -84.12,4.71 -33.26,55.58 C20.1@-27.81,55.58
NetC60_1: C60.1 L60.2 R60.2 | length 59.6
  Top Layer w9: R60.2 C60.1
NetC61_1: C61.1 U1.2 | length 67.3
  Bottom Layer w6: C61.1 46,-269 53.25,-261.75 U1.2
NetC88_2: C88.2 U1.17 | length 59.7
  Bottom Layer w6: U1.17 163.75,-322.29 182.31,-340.86 C88.2
NetL4_1: L4.1 L5.2 U6.31 | length 95.9
  Top Layer w8: U6.31 -115.62,40.38 L4.1 L4.1@-97.82,58.18
  Top Layer w9: L4.1@-97.82,58.18 L5.2
NetQ1_2: Q1.2 R54.1 | length 51.8
  Top Layer w6: Q1.2@113.11,19.49 124.73,19.49 131.01,25.78 R54.1
NetR8_2: R8.2 U6.19 | length 335.9
  Top Layer w6: U6.19 22.77,-121.15 37,-106.92 37,-60.9 45,-52.9 49,-48.9 49,18.7 57,26.7 57,148 76,167 R8.2
NetR73_1: R73.1 R74.2 R75.2 | length 85.5
  Top Layer w6: R73.1 -94.17,-455 -60.17,-421 R74.2 R75.2
NetR86_1: R86.1 R87.2 R89.2 | length 89.1
  Bottom Layer w6: R87.2 -120.32,-340 -89.69,-340 R89.2 -86,-376.68 R86.1
NetR167_2: R167.2 U1.15 | length 49.1
  Bottom Layer w6: U1.15 241.81,-277.5 R167.2@253.31,-289
NetTP4_1: TP4.1 U6.44 | length 411.8
  Top Layer w6: v1(-246,-447) -253,-440 -288,-440 -334.38,-393.62 -334.38,-304.62 -294.07,-264.31 -294.07,-192.91 -253.81,-152.65 U6.44
PWM: R54.2 U6.17 | length 249.7
  Top Layer w6: U6.17 22.77,-152.65 61,-114.42 61,13.73 73,25.73 73,38.45 R54.2
PWM_5V: C33.1 Q1.3 Q2.1 R58.1 | length 304.4
  Top Layer w6: C33.1 91.32,91.8 91.64,91.47 R58.1@91.64,93.09 ; R58.1@94.13,93.96 112.16,75.93 149.48,75.93 162.33,63.09 162.33,-4.46 175.78,-17.91 254.83,-17.91 Q2.1@265.83,-28.91
RED_1: D1.1 U1.3 | length 113
  Bottom Layer w8: D1.1 -5.72,-209.78 30.5,-246 U1.3
RED_2: D2.1 U1.6 | length 420.7
  Bottom Layer w8: D2.1 -160.72,47.72 -147,34 -65,34 47.09,-78.09 47.09,-114.38 50.54,-117.84 50.54,-121.83 84.75,-156.04 100.71,-156.04 116.5,-171.83 U1.6
RED_3: D3.1 U1.10 | length 279.5
  Bottom Layer w8: D3.1 126.28,44.72 179.5,-8.5 U1.10
SWCLK: R52.1 SWCLK.1 U6.24 | length 419.6
  Top Layer w6: v1(-111,217) -102.58,217 -70.76,185.17 R52.1 -65.29,167.71 -34.29,136.71 27.53,136.71 33,131.24 33,36.64 25,28.64 25,-38.96 22.47,-41.48 11.36,-41.48 U6.24
  Bottom Layer w6: SWCLK.1@-151.18,215.71 -112.29,215.71 v1(-111,217)
SWDIO: R72.1 SWDIO.1 U6.23 | length 395.3
  Top Layer w6: v1(-35.29,218.71) -29.13,212.54 R72.1 ; R72.1@-31.67,171.26 R72.1 ; U6.23 22.77,-58.16 33,-47.93 37,-43.93 37,23.67 45,31.67 45,136.21 32.5,148.71 -11.29,148.71 -29.13,166.54 R72.1
  Bottom Layer w6: SWDIO.1@-66.44,208.71 -56.44,218.71 v1(-35.29,218.71)
T_SCL: R92.2 SCL.1 U6.8 | length 1805.3
  Top Layer w6: U6.8 -84.11,-281.89 -42.84,-323.16 -41.78,-323.16 -30.72,-334.22 -30.72,-452.17 -31,-452.46 -31,-466.63 -9.63,-488 243.03,-488 329,-402.03 329,-375 441,-263 v1@441,-256 ; SCL.1@222.33,245.09 226.33,245.09 336.33,355.09 v3(393.33,355.09)
  Bottom Layer w6: v1(215,263) 229,263 236,256 R92.2 ; v3@393.33,352.09 v3(393.33,355.09) 496.33,252.09 496.33,48.67 520.33,24.67 520.33,-146.67 497,-170 497,-209 449,-257 v1(443,-257)
T_SDA: R91.2 SDA.1 U6.9 | length 1794.1
  Top Layer w6: U6.9 -68.36,-279 -18.72,-328.65 -18.72,-457.14 -19,-457.43 -19,-461.66 -4.66,-476 236,-476 317,-395 317,-357.54 442.54,-232 v1(443,-232) ; v1(159,213) 159,212 176,195 233,195 247.09,209.09 SDA.1 364.23,316 v1(394,316)
  Bottom Layer w6: v1(159,213) 178.69,232.69 R91.2 ; v1(394,316) 396.28,313.72 417.72,313.72 484.33,247.12 484.33,43.7 505.51,22.52 505.51,-144.52 485,-165.03 485,-190 v1(443,-232)
VBUS: C1.1 C2.1 C90.1 C91.1 F1.1 Q2.2 R58.2 R73.2 U3.1 U3.3 | length 1649.7
  Top Layer w10: R58.2 148.76,96.46 176.33,68.89 176.33,27.67 196.91,7.09 304.83,7.09 365.83,-53.91 386.89,-53.91 ; v1@382.33,-104.91 386.89,-100.34 386.89,-53.91 ; 386.89,6.09 386.89,-53.91 ; 388.83,-53.91 386.89,-53.91
  Top Layer w15: R73.2 -57.99,-455.33 v1(-57.99,-474.99) ; C2.1 15.5,-368 59.32,-368 68.72,-358.6 U3.1 103.6,-358.6 120.28,-375.28 120.28,-409.47 96.34,-433.4 U3.3 v1(93,-451)
  Bottom Layer w10: v1@381.33,-128 381.33,-105.91 v1(384,-103.23)
  Bottom Layer w70: F1.1@-257.55,-322.45 -112,-468 195,-468 308,-355 308.82,-355 311,-352.82 311,-352.29 343.23,-320.06 343.77,-320.06 382,-281.82 382,-175.29 381.33,-174.62 v1@381.33,-128
  other v1: 367,-127 386,-124 401,-113 366,-108
VBUS_IN: +5V.1 D4.1 F1.2 VBUS.1 | length 136.2
  Bottom Layer w30: +5V.1 -425.2,-205.8 v4(-393,-238) ; D4.1 -336,-199.04 -336,-226.58 F1.2@-316.43,-246.15 ; F1.2@-317.47,-246.15 F1.2@-316.43,-246.15 ; F1.2@-311.21,-246.15 F1.2@-316.43,-246.15 ; F1.2@-310.12,-252.46 F1.2@-316.43,-246.15
  other v4: -369,-249 -347,-229 -374,-216
VCC_MCU: C13.1 C18.1 C19.1 C22.1 C58.1 C59.1 D1.4 D2.4 D3.4 L8.1 R6.1 R7.1 R8.1 R72.2 R86.2 U1.1 U2.3 U2.7 U2.11 U6.1 U6.12 U6.35 U6.36 VCC.1 | length 2870.2
  Top Layer w8: C13.1 -279.81,-6.29 -260.44,-6.29 v3(-256.44,-10.29) -240.19,5.96 -194.75,5.96 ; C18.1@-221.76,-287.29 -207.35,-287.29 -194.35,-274.29 U6.1 ; U6.36 -194.36,5.57 -194.75,5.96 ; U6.35 -178.61,-0.18 -184.75,5.96 -194.75,5.96 ; U6.12 -21.12,-286.3 C19.1 ; R72.2 v1(50.56,168.71) ; U2.7 144,-108 144,-98 156,-86 220,-86 ; U2.11 164.16,-144.84 180.84,-128.16 U2.3 208.32,-128.16 218.94,-117.54 218.94,-87.06 220,-86 ; v1@231.33,-84.91 C22.1@257.33,-84.91 ; v1(234,-86) 224.42,-86 224.33,-85.91 224.33,-86 220,-86
  Top Layer w12: C18.1@-221.76,-287.29 -217.44,-282.98 v3(-217.44,-256.29) ; v1(-46,-275) -31.71,-289.29 C19.1 ; R6.1@267.32,-109 R6.1 268.64,-109 C22.1
  Top Layer w15: v6(88,-300) 164,-300 259,-205 v3(261,-205) ; R8.1 129.68,185.21 v3(134,189.52)
  Top Layer w20: v3(51,-175) 88,-212 v6(88,-300)
  Bottom Layer w8: -91,-256.29 -88.5,-258.79 ; VCC.1 6.3,191.22 8,189.52 ; v1(50.56,168.71) 50.56,189.52 ; 51,-296 69.5,-277.5 U1.1
  Bottom Layer w10: R86.2 68.5,-389 L8.1
  Bottom Layer w12: v3(-256.44,-10.29) -255.44,-11.29 -255.44,-193.14 -217.44,-231.14 v3(-217.44,-256.29) -91,-256.29 -67,-256.29 -48.29,-275 v1(-46,-275) -46,-279 -19.68,-305.31 C59.1 0,-305.31
  Bottom Layer w15: D2.4 -160.72,179.28 -150.48,189.52 8,189.52 50.56,189.52 v3@126,189.52 ; D1.4 -5.72,-161.53 7.75,-175 v3(51,-175) ; D3.4 126.28,187.81 125.28,188.81 v3@126,189.52 ; v3(261,-205) 290,-176 290,-175 ; v1(311,-175) 290,-175 ; v3@126,189.52 v3(134,189.52) 153.36,189.52 203,139.88 203,45.77 234,14.77 v1(234,-86) 234,-88.18 290,-144.18 290,-175
  Bottom Layer w20: 0,-305.31 C58.1 48,-305.31 ; L8.1 70,-376.5 70,-305.31 86.68,-305.31 88,-304 v6(88,-300)
VCC_T: 3V3.1 L9.1 R91.1 R92.1 | length 916.1
  Top Layer w12: v1(236,147) 284,147 297.09,160.09 3V3.1 323.09,160.09 v1(405,242)
  Top Layer w15: L9.1 416,-190 v1(456,-190) v1@457,-190
  Bottom Layer w12: R91.1 R92.1 v1@236,145 ; v1@404,242 v1(405,242) 449,242 469.33,221.67 469.33,37.49 490.51,16.31 490.51,-137.49 459,-169 459,-187 v1(456,-190)
VOUT: C30.1 D7.1 Q2.3 R59.2 VOUT.1 | length 382.5
  Bottom Layer w20: C30.1 344.33,38.78 342.33,40.78 342.33,75.49 D7.1 ; 376.33,38.09 384.33,30.09 R59.2
  Bottom Layer w70: 308.33,316.09 308.33,168.09 353.92,122.49 D7.1
  other v3: 337.33,36.09 336.33,56.09 357.33,56.09 336,76 266.33,356.09 281.33,371.09 252.33,372.09 237.33,386.09 267.33,386.09 252.33,400.09
pads on no net: M1.4 M1.5 SW1. U1.14 U1.20 U2.4 U2.5 U2.6 U2.10 U3.4 U6.2 U6.3 U6.4 U6.10 U6.11 U6.18 U6.20 U6.21 U6.22 U6.25 U6.26 U6.27 U6.28 U6.40 U6.41 U6.45 U6.46 U6.47 U6.48

## Polygon pours and split planes (outlines as drawn)
GND on Top Layer "Top Layer-No Net" (solid, remove dead copper, pour order 0): -668,269 -163,269 199,269 286,356 325,395 406,395 587,395 648,334 646,332 646,138 646,-513 459,-700 451,-708 -481,-708 -574,-708 -727,-555 -775,-507 -775,161 -775,210 -716,269 -715,268 -667,268
GND on Bottom Layer "Top Layer-No Net" (solid, remove dead copper, pour order 4): -569,269 -114,269 197,269 312,384 323,395 450,395 547,395 590,352 593,349 593,88 593,-540 592,-541 498,-635 92,-635 -526,-635 -626,-535 -673,-488 -673,237 -602,237 -570,269

## Keep-outs
Keep-Out Layer:
  the board outline again, w0.5

## Other copper
Top Layer:
  rectangle net GND: 461,-113 522,47
  region net GND: -145.64,30.74 -143.12,28.22 -143.12,-1.14 -144.12,-2.14 -145.12,-1.14 -151.12,-1.14 -151.12,7.86 -154.12,10.86 -161.12,10.86
  region net VOUT: 273.33,26.09 266.33,33.09 266.33,80.09 270.33,84.09 361.33,84.09 368.33,77.09 368.33,50.09 362.33,44.09 352.4,44.09 348.33,40.02 348.33,32.09 342.33,26.09
  region net VBUS: 352,-136 352,-83 323,-54 323,-4 333,-4 367,30 411,30 411,-132 407,-136
  region net VBUS_IN: -380,-204 -408,-232 -408,-242 -388,-262 -355,-262 -326,-233 -355,-204
  region net VBUS: 437,-14 437,-73 429,-81 393,-81 393,-16.15 395.15,-14
  region net GND: 336,138 420,222 488,154 488,117 454,117 409,72 403,78 392,84 387,88 337,138
  region net GND: -286,-275 -321,-310 -321,-387 -281,-427 -238,-427 -238,-426 -176,-364 -246,-294 -253,-294 -253,-292 -270,-275
Bottom Layer:
  rectangle net VOUT: 305,69 325,108
  region net VOUT: 315.33,95.09 315.33,109.09 393.33,109.09 393.33,34.09 383.33,24.09 272.33,24.09 265.33,31.09 265.33,45.09
  region net GND: 457.33,161.09 419.33,199.09 410.33,199.09 381.33,170.09 381.33,161.09 404.33,138.09 404.33,79.09 451.33,79.09 457.33,85.09
  region net VOUT: 343.33,335.09 260.33,418.09 242.33,418.09 219.33,395.09 219.33,382.09 273.33,328.09 273.33,306.09 276.33,303.09 330.33,303.09 343.33,316.09
  region net VOUT: 256,345 256,157 305,108 334,108 334,132 339,137 299,177 299,345
  region net VBUS_IN: -414,-236 -352,-174 -301,-174 -293,-182 -293,-242 -275,-260 -312,-297 -347,-297 -391,-253 -408,-253 -445,-216 -432,-203 -408,-203
  region net GND: 438,86 438.91,85.09 457.33,85.09 457.33,-21.67 455,-24 451.47,-20.47 428.73,-20.47 428.73,77.73 444,93 451.91,85.09 457.33,85.09
  region net VCC_MCU: 67,-274 44,-297 28,-297 28,-314 29,-315 67,-315 71,-311 71,-280

## Silkscreen, mask and mechanical layers (free items; w line width, h text height)
Top Overlay:
  text "1#" at -519,-98 h40 r315
Mechanical 1:
  circle w0.5: c0,0 r480.31
  circle w0.5: c20,-7 r370.08
  circle w0.5: c0,0 r137.8
  lines w0.5: -9969.13,-18382.7 1723.78,-18382.7 -9969.13,-18382.7 ; -55.12,-68.9 -55.12,68.9 55.12,68.9 55.12,-68.9 -55.12,-68.9 ; 100.39,-96.46 293.31,-96.46 293.31,96.46 100.39,96.46 100.39,-96.46
Mechanical 2:
  lines w0.5: -653.78,0 0,0 ; 0,-681.4 0,0 ; 0,729.84 0,0 ; 656.66,0 0,0
Mechanical 3:
  circle w0.5: c0,0 r492.13
  lines w0.5: -489.96,-66.81 -72.38,-484.4 -16.7,-428.72 -434.29,-11.14 -489.96,-66.81 ; 11.14,434.29 66.81,489.96 484.4,72.38 428.72,16.7 11.14,434.29